# Allegro board PandaX_III_V3.brd (continued)
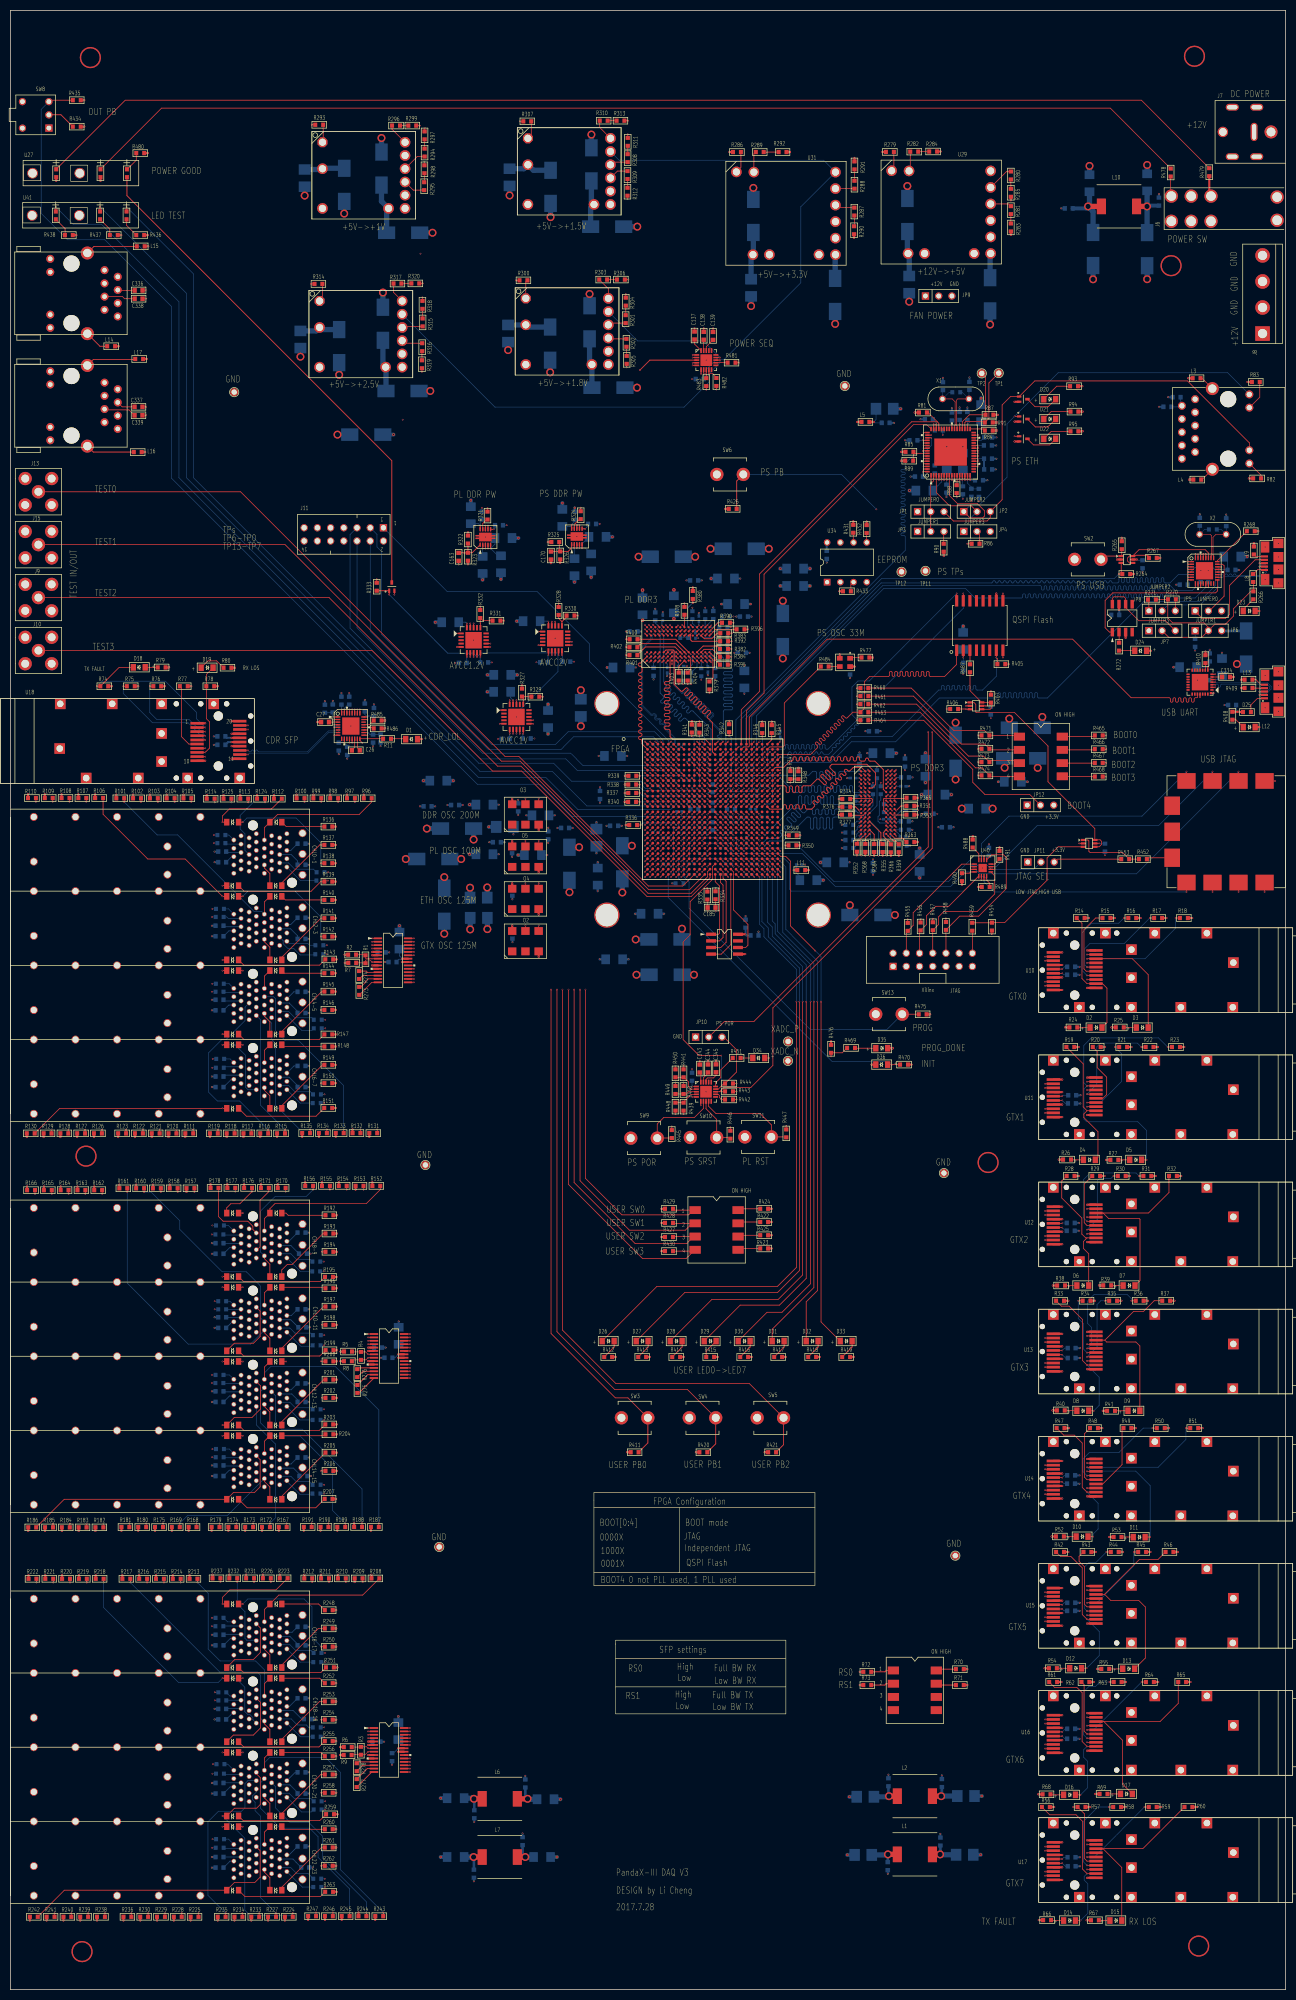
[diagram p0: board, top side]
## Placement (name value [footprint] x y rotation side) (continued)
C314  4.7u  [CT1206]  117.42 253.85 180 bottom
C315  0.1u  [SC0603]  123.57 253.01 270 bottom
C316  0.1u  [SC0603]  135.41 252.96 270 bottom
C317  0.1u  [SC0402]  134.01 253.47 270 bottom
C318  0.1u  [SC0402]  126.19 253.32 270 bottom
C319  0.01u  [SC0402]  131.62 259.97 270 bottom
C320  0.01u  [SC0402]  128.85 254.1 0 bottom
C321  4.7u  [CT1206]  127.48 265.96 90 bottom
C322  4.7u  [CT1206]  139.42 266.02 0 bottom
C323  4.7u  [CT1206]  141.02 251.56 270 bottom
C324  0.1u  [SC0603]  140.56 256.67 0 bottom
C325  0.1u  [SC0603]  140.94 263.63 0 bottom
C326  0.1u  [SC0603]  119.74 260.76 180 bottom
C327  10u  [CT1206]  183.06 258.93 90 bottom
C328  0.1u  [SC0603]  183.08 254 270 bottom
C329  0.1u  [SC0603]  188.37 245.57 270 bottom
C330  0.1u  [SC0603]  230.43 255.78 90 bottom
C331  1u  [SC0603]  234.75 246.64 180 bottom
C332  4.7u  [CT1206]  226.29 253.9 180 bottom
C333  0.1u  [SC0603]  229.57 251.41 180 bottom
C334  0.1u  [SC0603]  233.58 252.02 0 top
C335  10u  [CT1206]  232.79 253.92 90 bottom
C336  0.1u  [SC0603]  24.64 326.24 180 top
C337  0.1u  [SC0603]  24.61 303.89 180 top
C338  0.1u  [SC0603]  24.64 324.64 180 top
C339  0.1u  [SC0603]  24.61 302.26 180 top
C340  0.1u  [SC0603]  156.84 275.46 270 bottom
C341  1u  [SC0603]  142.98 202.39 0 bottom
C342  0.1u  [SC0603]  141.25 204.65 90 bottom
C343  22n  [SC0603]  132.46 176.84 90 top
C344  2.2n  [SC0603]  134.04 176.86 90 top
C345  0.1u  [SC0603]  135.59 176.89 90 top
C346  0.1u  [SC0603]  130.96 175.26 90 bottom
C347  0.1u  [SC0603]  188.01 218.44 90 bottom
C348  0.1u  [SC0603]  210.31 219.25 270 bottom
C350  0.01u  [SC0603]  161.34 253.26 270 bottom
C351  0.01u  [SC0603]  96.39 218.95 270 bottom
C354  0.01u  [SC0603]  96.44 210.8 270 bottom
C355  0.01u  [SC0603]  96.47 202.57 270 bottom
C357  0.01u  [SC0603]  97.56 226.98 270 bottom
C358  0.1u  [SC0603]  217.53 273.66 270 bottom
C481  0.1u  [SC0603]  40.54 238.99 180 bottom
C482  0.1u  [SC0603]  40.54 240.62 180 bottom
C483  0.1u  [SC0603]  203.81 194.84 0 bottom
C484  0.1u  [SC0603]  203.81 196.37 0 bottom
C485  0.1u  [SC0603]  203.96 170.13 0 bottom
C486  0.1u  [SC0603]  204.01 171.71 0 bottom
C487  0.1u  [SC0603]  203.73 145.7 0 bottom
C488  0.1u  [SC0603]  203.73 147.19 0 bottom
C489  0.1u  [SC0603]  203.91 121.26 0 bottom
C490  0.1u  [SC0603]  203.91 123.17 0 bottom
C491  0.1u  [SC0603]  203.78 97.13 0 bottom
C492  0.1u  [SC0603]  203.81 98.73 0 bottom
C493  0.1u  [SC0603]  203.81 72.72 0 bottom
C494  0.1u  [SC0603]  203.83 74.27 0 bottom
C495  0.1u  [SC0603]  203.81 48.16 0 bottom
C496  0.1u  [SC0603]  203.81 50.06 0 bottom
C497  0.1u  [SC0603]  203.91 23.67 0 bottom
C498  0.1u  [SC0603]  203.89 25.4 0 bottom
C499  0.1u  [SC0603]  132.44 309.22 180 bottom
C500  0.1u  [SC0603]  98.4 28.5 270 bottom
C501  0.1u  [SC0603]  89.13 33.66 90 bottom
C502  0.1u  [SC0603]  89.05 22.25 90 bottom
C503  10u  [CT1206]  102.16 25.45 0 bottom
D1  GREEN  [SD0805]  77.09 240.08 180 top
D2  GREEN  [SD0805]  208.58 184.71 0 top
D3  GREEN  [SD0805]  217.47 184.71 0 top
D4  GREEN  [SD0805]  207.31 159.31 0 top
D5  GREEN  [SD0805]  216.2 159.31 0 top
D6  GREEN  [SD0805]  206.04 135.18 0 top
D7  GREEN  [SD0805]  214.93 135.18 0 top
D8  GREEN  [SD0805]  206.04 111.13 0 top
D9  GREEN  [SD0805]  215.87 111.13 0 top
D10  GREEN  [SD0805]  205.92 86.97 0 top
D11  GREEN  [SD0805]  216.89 86.87 0 top
D12  GREEN  [SD0805]  204.67 61.7 0 top
D13  GREEN  [SD0805]  214.86 61.6 0 top
D14  GREEN  [SD0805]  203.5 13.26 0 top
D15  GREEN  [SD0805]  212.39 13.26 0 top
D16  GREEN  [SD0805]  203.5 37.39 0 top
D17  GREEN  [SD0805]  214.43 37.57 0 top
D18  GREEN  [SD0805]  24.76 253.87 180 top
D19  GREEN  [SD0805]  37.8 253.8 0 top
D20  GREEN  [SD0805]  199.69 305.36 0 top
D21  GREEN  [SD0805]  199.69 301.55 0 top
D22  GREEN  [SD0805]  199.69 297.74 0 top
D23  RED  [SD0805]  238.02 264.69 0 top
D24  RED  [SD0805]  217.17 257.05 180 top
D25  RED  [SD0805]  238.02 242.39 0 top
D26  GREEN  [SD0805]  114.86 124.51 0 top
D27  GREEN  [SD0805]  121.39 124.51 0 top
D28  GREEN  [SD0805]  127.92 124.51 0 top
D29  GREEN  [SD0805]  134.45 124.51 0 top
D30  GREEN  [SD0805]  140.98 124.51 0 top
D31  GREEN  [SD0805]  147.52 124.51 0 top
D32  GREEN  [SD0805]  154.05 124.51 0 top
D33  GREEN  [SD0805]  160.58 124.51 0 top
D34  RED  [SD0805]  143.79 178.87 180 top
D35  GREEN  [SD0805]  167.41 180.75 0 top
D36  GREEN  [SD0805]  167.41 177.6 180 top
DU1  10/100/1000 RJ45  [RJ45_HFJ11-100M]  11.73 325.68 270 top
DU2  10/100/1000 RJ45  [RJ45_HFJ11-100M]  11.73 304.09 270 top
DU3  AT93C46D  [SOIC_8]  137.21 200.71 0 top
J1  RJ45_LED  [RJ45-HFJ11-1G01E-L12RL]  233.98 305.36 90 top
J2  USB_micro  [MICRO_USB]  243.64 273.86 180 top
J3  Con_Stacked_SFP&SFP+  [CON_STACKED_SFP_2X4]  28.5 196.65 270 top
J4  Con_Stacked_SFP&SFP+  [CON_STACKED_SFP_2X4]  28.5 121.59 270 top
J5  Con_Stacked_SFP&SFP+  [CON_STACKED_SFP_2X4]  28.5 46.53 270 top
J6  -  [1201M2S3AV2QE2]  230.68 341.94 90 top
J7  -  [PJ-082BH]  232.97 356.67 180 top
J8  sip-4p-196  [SIP-4P-196]  240.59 323.9 90 top
J9  LEMO  [CON-BNC-S-T]  5.38 267.26 0 top
J10  LEMO  [CON-BNC-S-T]  5.38 257.1 0 top
J11  JTAG_14  [HEAD-14P]  64.06 279.4 180 top
J12  JTAG_14  [JTAG-14P]  164.46 193.22 0 top
J13  LEMO  [CON-BNC-S-T]  5.38 287.58 0 top
J14  USB_micro  [MICRO_USB]  243.64 249.23 180 top
J15  LEMO  [CON-BNC-S-T]  5.38 277.42 0 top
JP1  CON3_JUMPER  [SIP-3P]  176.83 283.77 0 top
JP2  CON3_JUMPER  [SIP-3P]  185.72 283.77 0 top
JP3  CON3_JUMPER  [SIP-3P]  176.83 279.96 0 top
JP4  CON3_JUMPER  [SIP-3P]  185.72 279.96 0 top
JP5  CON3_JUMPER  [SIP-3P]  230.17 264.72 0 top
JP6  CON3_JUMPER  [SIP-3P]  230.17 260.91 0 top
JP7  CON3_JUMPER  [SIP-3P]  221.28 260.91 0 top
JP8  CON3_JUMPER  [SIP-3P]  221.28 264.72 0 top
JP9  CON3_JUMPER  [SIP-3P]  178.36 325.17 0 top
JP10  CON3_JUMPER  [SIP-3P]  134.19 182.88 0 top
JP11  CON3_JUMPER  [SIP-3P]  198.02 216.49 0 top
JP12  CON3_JUMPER  [SIP-3P]  197.92 227.41 0 top
L1  ferrite-78  [DEM8045C]  173.79 25.96 0 top
L2  ferrite-78  [DEM8045C]  173.79 37.14 0 top
L3  ferrite-220  [SR0603]  227.91 309.37 0 top
L4  ferrite-220  [SR0603]  228.04 289.92 0 top
L5  ferrite-220  [SR0603]  164.29 300.99 0 top
L6  ferrite-78  [DEM8045C]  94.03 36.63 180 top
L7  ferrite-78  [DEM8045C]  94.03 25.45 180 top
L8  ferrite-220  [SR0603]  238.79 271.02 270 top
L9  ferrite-220  [SR0603]  238.91 276.3 90 top
L10  ferrite-78  [DEM8045C]  213 342.37 180 top
L11  ferrite-220  [SR0603]  151.94 214.94 180 top
L12  ferrite-220  [SR0603]  237.59 245.29 180 top
L13  ferrite-220  [SR0603]  237.9 251.51 180 top
L14  ferrite-220  [SR0603]  19.35 315.52 180 top
L15  ferrite-220  [SR0603]  25.04 334.7 180 top
L16  ferrite-220  [SR0603]  24.46 295.2 180 top
L17  ferrite-220  [SR0603]  24.74 313.08 180 top
NOREF  -  [unnamed]  114.6 206.3 0 top
NOREF#2  -  [unnamed]  155.24 246.94 0 top
NOREF#3  -  [unnamed]  114.6 246.94 0 top
NOREF#4  -  [unnamed]  155.24 206.3 0 top
O1  OSC  [XO32]  160.35 254.81 270 top
O2  125M  [XO75L]  98.96 201.3 0 top
O3  200M  [XO75L]  98.96 225.63 0 top
O4  125M  [XO75L]  98.96 209.41 0 top
O5  100M  [XO75L]  98.96 217.52 0 top
Q1  RUE002N02  [EMT3]  194.61 305.36 0 top
Q2  RUE002N02  [EMT3]  194.61 301.55 0 top
Q3  RUE002N02  [EMT3]  194.61 297.74 0 top
Q4  RUE002N02  [EMT3]  73.28 269.37 90 top
R1  100  [SR0603]  68.22 197.82 90 top
R2  10k  [SR0603]  65.66 198.71 0 top
R3  100  [SR0603]  67.34 45.85 90 top
R4  100  [SR0603]  67.36 121.67 90 top
R5  10k  [SR0603]  64.87 122.51 0 top
R6  10k  [SR0603]  64.82 46.56 0 top
R7  10k  [SR0603]  65.68 197.13 180 top
R8  10k  [SR0603]  64.85 120.65 180 top
R9  10k  [SR0603]  64.8 45.04 180 top
R11  1k  [SR0603]  72.36 240.16 180 top
R14  4.7k  [SR0603]  205.64 205.74 0 top
R15  4.7k  [SR0603]  210.6 205.74 0 top
R16  4.7k  [SR0603]  215.56 205.74 0 top
R17  4.7k  [SR0603]  220.52 205.74 0 top
R18  4.7k  [SR0603]  225.48 205.74 0 top
R19  4.7k  [SR0603]  203.66 180.98 0 top
R20  4.7k  [SR0603]  208.73 180.98 0 top
R21  4.7k  [SR0603]  213.8 180.98 0 top
R22  4.7k  [SR0603]  218.88 180.98 0 top
R23  4.7k  [SR0603]  223.95 180.98 0 top
R24  1k  [SR0603]  204.24 184.74 180 top
R25  1k  [SR0603]  213.16 184.74 180 top
R26  1k  [SR0603]  203.02 159.36 180 top
R27  1k  [SR0603]  212.12 159.31 180 top
R28  4.7k  [SR0603]  203.71 156.21 0 top
R29  4.7k  [SR0603]  208.62 156.21 0 top
R30  4.7k  [SR0603]  213.54 156.21 0 top
R31  4.7k  [SR0603]  218.45 156.21 0 top
R32  4.7k  [SR0603]  223.37 156.21 0 top
R33  4.7k  [SR0603]  201.68 132.26 0 top
R34  4.7k  [SR0603]  206.78 132.26 0 top
R35  4.7k  [SR0603]  211.87 132.26 0 top
R36  4.7k  [SR0603]  216.97 132.26 0 top
R37  4.7k  [SR0603]  222.07 132.26 0 top
R38  1k  [SR0603]  201.88 135.18 180 top
R39  1k  [SR0603]  210.74 135.21 180 top
R40  1k  [SR0603]  201.83 111.2 180 top
R41  1k  [SR0603]  211.48 111.13 180 top
R42  4.7k  [SR0603]  201.68 84.02 0 top
R43  4.7k  [SR0603]  206.93 84.02 0 top
R44  4.7k  [SR0603]  212.19 84.02 0 top
R45  4.7k  [SR0603]  217.45 84.02 0 top
R46  4.7k  [SR0603]  222.71 84.02 0 top
R47  4.7k  [SR0603]  201.78 107.8 0 top
R48  4.7k  [SR0603]  208.2 107.8 0 top
R49  4.7k  [SR0603]  214.62 107.8 0 top
R50  4.7k  [SR0603]  221.04 107.8 0 top
R51  4.7k  [SR0603]  227.46 107.8 0 top
R52  1k  [SR0603]  201.65 87 180 top
R53  1k  [SR0603]  212.72 86.89 180 top
R54  1k  [SR0603]  200.3 61.7 180 top
R55  1k  [SR0603]  210.36 61.57 180 top
R56  4.7k  [SR0603]  198.96 35.05 0 top
R57  4.7k  [SR0603]  205.8 35.05 0 top
R58  4.7k  [SR0603]  212.65 35.05 0 top
R59  4.7k  [SR0603]  219.49 35.05 0 top
R60  4.7k  [SR0603]  226.34 35.05 0 top
R61  4.7k  [SR0603]  200.36 59.06 0 top
R62  4.7k  [SR0603]  206.55 59.06 0 top
R63  4.7k  [SR0603]  212.75 59.06 0 top
R64  4.7k  [SR0603]  218.95 59.06 0 top
R65  4.7k  [SR0603]  225.15 59.06 0 top
R66  1k  [SR0603]  199.19 13.34 180 top
R67  1k  [SR0603]  208.38 13.31 180 top
R68  1k  [SR0603]  199.09 37.49 180 top
R69  1k  [SR0603]  210.03 37.57 180 top
R70  1k  [SR0603]  182.42 61.52 0 top
R71  1k  [SR0603]  182.42 58.47 0 top
R72  10k  [SR0603]  164.64 61.01 0 top
R73  10k  [SR0603]  164.64 58.47 0 top
R74  4.7k  [SR0603]  18.03 250.24 0 top
R75  4.7k  [SR0603]  23.13 250.24 0 top
R76  4.7k  [SR0603]  28.22 250.24 0 top
R77  4.7k  [SR0603]  33.31 250.24 0 top
R78  4.7k  [SR0603]  38.4 250.24 0 top
R79  1k  [SR0603]  29.06 253.85 0 top
R80  1k  [SR0603]  41.71 253.8 0 top
R81  4.7k  [SR0603]  175.34 302.79 180 top
R82  240  [SR0603]  239.55 290.15 0 top
R83  240  [SR0603]  239.29 308.66 0 top
R84  4.99k  [SR0603]  187.99 299.34 180 top
R85  1k  [SR0603]  172.75 295.25 180 top
R86  1k  [SR0603]  185.45 277.6 180 top
R87  4.7k  [SR0603]  188.11 302.36 180 top
R88  4.7k  [SR0603]  181.81 288.09 90 top
R89  1k  [SR0603]  172.69 293.55 0 top
R90  1k  [SR0603]  179.32 276.84 90 top
R91  4.7k  [SR0603]  187.99 300.89 180 top
R92  10M  [SR0603]  181.74 306.68 180 bottom
R93  4.7k  [SR0603]  204.37 307.85 0 top
R94  4.7k  [SR0603]  204.44 302.97 0 top
R95  4.7k  [SR0603]  204.44 299.19 0 top
R96  4.7k  [SR0603]  68.66 228.73 0 top
R97  4.7k  [SR0603]  65.43 228.73 0 top
R98  4.7k  [SR0603]  62.2 228.73 0 top
R99  4.7k  [SR0603]  58.98 228.73 0 top
R100  4.7k  [SR0603]  55.75 228.73 0 top
R101  4.7k  [SR0603]  21.11 228.73 0 top
R102  4.7k  [SR0603]  24.33 228.73 0 top
R103  4.7k  [SR0603]  27.56 228.73 0 top
R104  4.7k  [SR0603]  30.78 228.73 0 top
R105  4.7k  [SR0603]  34.01 228.73 0 top
R106  4.7k  [SR0603]  17.04 228.78 0 top
R107  4.7k  [SR0603]  13.82 228.78 0 top
R108  4.7k  [SR0603]  10.59 228.78 0 top
R109  4.7k  [SR0603]  7.37 228.78 0 top
R110  4.7k  [SR0603]  4.14 228.78 0 top
R111  4.7k  [SR0603]  34.37 164.39 0 top
R112  4.7k  [SR0603]  51.38 228.65 0 top
R113  4.7k  [SR0603]  44.93 228.65 0 top
R114  4.7k  [SR0603]  38.48 228.65 0 top
R115  4.7k  [SR0603]  51.99 164.39 0 top
R116  4.7k  [SR0603]  48.77 164.39 0 top
R117  4.7k  [SR0603]  45.54 164.39 0 top
R118  4.7k  [SR0603]  42.32 164.39 0 top
R119  4.7k  [SR0603]  39.09 164.39 0 top
R120  4.7k  [SR0603]  31.14 164.39 0 top
R121  4.7k  [SR0603]  27.91 164.39 0 top
R122  4.7k  [SR0603]  24.69 164.39 0 top
R123  4.7k  [SR0603]  21.46 164.39 0 top
R124  4.7k  [SR0603]  48.16 228.65 0 top
R125  4.7k  [SR0603]  41.71 228.65 0 top
R126  4.7k  [SR0603]  16.81 164.39 0 top
R127  4.7k  [SR0603]  13.59 164.39 0 top
R128  4.7k  [SR0603]  10.36 164.39 0 top
R129  4.7k  [SR0603]  7.14 164.39 0 top
R130  4.7k  [SR0603]  3.91 164.39 0 top
R131  4.7k  [SR0603]  69.72 164.44 0 top
R132  4.7k  [SR0603]  66.5 164.44 0 top
R133  4.7k  [SR0603]  63.27 164.44 0 top
R134  4.7k  [SR0603]  60.05 164.44 0 top
R135  4.7k  [SR0603]  56.82 164.44 0 top
R136  1k  [SR0603]  61.09 223.29 0 top
R137  1k  [SR0603]  61.09 219.77 0 top
R138  1k  [SR0603]  61.09 216.26 0 top
R139  1k  [SR0603]  61.09 212.74 0 top
R140  1k  [SR0603]  61.09 209.22 0 top
R141  1k  [SR0603]  61.09 205.7 0 top
R142  1k  [SR0603]  61.09 202.18 0 top
R143  1k  [SR0603]  61.26 197.79 0 top
R144  1k  [SR0603]  61.09 195.14 0 top
R145  1k  [SR0603]  61.09 191.62 0 top
R146  1k  [SR0603]  61.09 188.11 0 top
R147  1k  [SR0603]  61.09 183.39 0 top
R148  1k  [SR0603]  61.09 181.07 0 top
R149  1k  [SR0603]  61.09 177.55 0 top
R150  1k  [SR0603]  61.09 174.03 0 top
R151  1k  [SR0603]  61.06 169.27 0 top
R152  4.7k  [SR0603]  70.31 154.31 0 top
R153  4.7k  [SR0603]  67.08 154.31 0 top
R154  4.7k  [SR0603]  63.86 154.31 0 top
R155  4.7k  [SR0603]  60.63 154.31 0 top
R156  4.7k  [SR0603]  57.4 154.31 0 top
R157  4.7k  [SR0603]  34.59 153.85 0 top
R158  4.7k  [SR0603]  31.37 153.85 0 top
R159  4.7k  [SR0603]  28.14 153.85 0 top
R160  4.7k  [SR0603]  24.92 153.85 0 top
R161  4.7k  [SR0603]  21.69 153.85 0 top
R162  4.7k  [SR0603]  16.87 153.49 0 top
R163  4.7k  [SR0603]  13.64 153.49 0 top
R164  4.7k  [SR0603]  10.41 153.49 0 top
R165  4.7k  [SR0603]  7.19 153.49 0 top
R166  4.7k  [SR0603]  3.96 153.49 0 top
R167  4.7k  [SR0603]  52.32 88.8 0 top
R168  4.7k  [SR0603]  35 88.8 0 top
R169  4.7k  [SR0603]  31.78 88.8 0 top
R170  4.7k  [SR0603]  52.12 153.93 0 top
R171  4.7k  [SR0603]  48.89 153.93 0 top
R172  4.7k  [SR0603]  49.1 88.8 0 top
R173  4.7k  [SR0603]  45.87 88.8 0 top
R174  4.7k  [SR0603]  42.65 88.8 0 top
R175  4.7k  [SR0603]  28.55 88.8 0 top
R176  4.7k  [SR0603]  45.67 153.93 0 top
R177  4.7k  [SR0603]  42.44 153.93 0 top
R178  4.7k  [SR0603]  39.22 153.93 0 top
R179  4.7k  [SR0603]  39.42 88.8 0 top
R180  4.7k  [SR0603]  25.32 88.8 0 top
R181  4.7k  [SR0603]  22.1 88.8 0 top
R182  4.7k  [SR0603]  17.09 88.75 0 top
R183  4.7k  [SR0603]  13.87 88.75 0 top
R184  4.7k  [SR0603]  10.64 88.75 0 top
R185  4.7k  [SR0603]  7.42 88.75 0 top
R186  4.7k  [SR0603]  4.19 88.75 0 top
R187  4.7k  [SR0603]  70.03 88.82 0 top
R188  4.7k  [SR0603]  66.8 88.82 0 top
R189  4.7k  [SR0603]  63.58 88.82 0 top
R190  4.7k  [SR0603]  60.35 88.82 0 top
R191  4.7k  [SR0603]  57.12 88.82 0 top
R192  1k  [SR0603]  61.29 148.67 0 top
R193  1k  [SR0603]  61.29 145.16 0 top
R194  1k  [SR0603]  61.29 141.66 0 top
R195  1k  [SR0603]  61.21 136.83 0 top
R196  1k  [SR0603]  61.29 134.65 0 top
R197  1k  [SR0603]  61.29 131.14 0 top
R198  1k  [SR0603]  61.29 127.64 0 top
R199  1k  [SR0603]  61.32 122.76 0 top
R200  1k  [SR0603]  61.29 120.63 0 top
R201  1k  [SR0603]  61.29 117.12 0 top
R202  1k  [SR0603]  61.29 113.62 0 top
R203  1k  [SR0603]  61.26 108.51 0 top
R204  1k  [SR0603]  61.29 106.6 0 top
R205  1k  [SR0603]  61.29 103.1 0 top
R206  1k  [SR0603]  61.29 99.59 0 top
R207  1k  [SR0603]  61.14 94.21 0 top
R208  4.7k  [SR0603]  70.13 78.94 0 top
R209  4.7k  [SR0603]  66.9 78.94 0 top
R210  4.7k  [SR0603]  63.68 78.94 0 top
R211  4.7k  [SR0603]  60.45 78.94 0 top
R212  4.7k  [SR0603]  57.23 78.94 0 top
R213  4.7k  [SR0603]  35.18 78.87 0 top
R214  4.7k  [SR0603]  31.95 78.87 0 top
R215  4.7k  [SR0603]  28.73 78.87 0 top
R216  4.7k  [SR0603]  25.5 78.87 0 top
R217  4.7k  [SR0603]  22.28 78.87 0 top
R218  4.7k  [SR0603]  17.14 78.87 0 top
R219  4.7k  [SR0603]  13.92 78.87 0 top
R220  4.7k  [SR0603]  10.69 78.87 0 top
R221  4.7k  [SR0603]  7.47 78.87 0 top
R222  4.7k  [SR0603]  4.24 78.87 0 top
R223  4.7k  [SR0603]  52.5 78.97 0 top
R224  4.7k  [SR0603]  53.49 13.97 0 top
R225  4.7k  [SR0603]  35.38 13.97 0 top
R226  4.7k  [SR0603]  49.28 78.97 0 top
R227  4.7k  [SR0603]  50.27 13.97 0 top
R228  4.7k  [SR0603]  32.16 13.97 0 top
R229  4.7k  [SR0603]  28.93 13.97 0 top
R230  4.7k  [SR0603]  25.7 13.97 0 top
R231  4.7k  [SR0603]  46.05 78.97 0 top
R232  4.7k  [SR0603]  42.82 78.97 0 top
R233  4.7k  [SR0603]  47.04 13.97 0 top
R234  4.7k  [SR0603]  43.81 13.97 0 top
R235  4.7k  [SR0603]  40.59 13.97 0 top
R236  4.7k  [SR0603]  22.48 13.97 0 top
R237  4.7k  [SR0603]  39.6 78.97 0 top
R238  4.7k  [SR0603]  17.4 13.97 0 top
R239  4.7k  [SR0603]  14.17 13.97 0 top
R240  4.7k  [SR0603]  10.95 13.97 0 top
R241  4.7k  [SR0603]  7.72 13.97 0 top
R242  4.7k  [SR0603]  4.5 13.97 0 top
R243  4.7k  [SR0603]  70.87 14.1 0 top
R244  4.7k  [SR0603]  67.64 14.1 0 top
R245  4.7k  [SR0603]  64.41 14.1 0 top
R246  4.7k  [SR0603]  61.19 14.1 0 top
R247  4.7k  [SR0603]  57.96 14.1 0 top
R248  1k  [SR0603]  61.16 72.85 0 top
R249  1k  [SR0603]  61.16 69.34 0 top
R250  1k  [SR0603]  61.16 65.84 0 top
R251  1k  [SR0603]  61.39 61.85 0 top
R252  1k  [SR0603]  61.16 58.83 0 top
R253  1k  [SR0603]  61.16 55.32 0 top
R254  1k  [SR0603]  61.16 51.82 0 top
R255  1k  [SR0603]  61.16 47.7 0 top
R256  1k  [SR0603]  61.16 44.81 0 top
R257  1k  [SR0603]  61.16 41.3 0 top
R258  1k  [SR0603]  61.16 37.8 0 top
R259  1k  [SR0603]  61.42 33.66 0 top
R260  1k  [SR0603]  61.16 30.79 0 top
R261  1k  [SR0603]  61.16 27.28 0 top
R262  1k  [SR0603]  61.16 23.78 0 top
R263  1k  [SR0603]  61.24 18.77 0 top
R264  1k  [SR0603]  214.4 271.78 0 top
R265  1k  [SR0603]  213.54 277.32 90 top
R266  240  [SR0603]  238.81 267.69 270 top
R267  1k  [SR0603]  219.51 274.88 0 top
R268  8.06k  [SR0603]  238.33 280.01 180 top
R269  1M  [SR0603]  231.04 280.34 0 bottom
R270  10k  [SR0603]  223.16 266.93 0 top
R271  1k  [SR0603]  219.33 266.88 180 top
R272  240  [SR0603]  213.03 257.84 270 top
R273  100  [SR0603]  67.03 191.75 270 top
R274  100  [SR0603]  67.01 194.79 270 top
R275  100  [SR0603]  66.67 115.32 270 top
R276  100  [SR0603]  66.65 118.37 270 top
R277  100  [SR0603]  66.55 39.65 270 top
R278  100  [SR0603]  66.55 42.7 90 top
R279  1k  [SR0603]  168.99 352.83 0 top
R280  150k  [SR0603]  192.23 348.31 90 top
R281  169  [SR0603]  192.23 341.66 90 top
R282  8.87k  [SR0603]  173.66 352.88 180 top
R283  0  [SR0603]  192.23 338.33 90 top
R284  0  [SR0603]  177.29 352.91 180 top
R285  0  [SR0603]  192.23 344.98 90 top
R286  1k  [SR0603]  139.6 352.81 0 top
R287  1.21k  [SR0603]  162.15 341.38 90 top
R288  150k  [SR0603]  162.18 346.53 270 top
R289  100k  [SR0603]  143.98 352.81 180 top
R290  0  [SR0603]  162.1 337.8 90 top
R291  0  [SR0603]  162.18 350.24 270 top
R292  0  [SR0603]  148.36 352.81 180 top
R293  1k  [SR0603]  59.33 358.04 0 top
R294  68k  [SR0603]  79.58 352.71 270 top
R295  20k  [SR0603]  79.5 346.25 270 top
R296  150k  [SR0603]  74.09 357.89 180 top
R297  13k  [SR0603]  79.58 356.01 270 top
R298  510  [SR0603]  79.55 349.51 270 top
R299  3.9k  [SR0603]  77.22 357.89 180 top
R300  1k  [SR0603]  98.58 328.17 0 top
R301  68k  [SR0603]  118.21 320.73 270 top
R302  4.75k  [SR0603]  118.36 316.18 90 top
R303  150k  [SR0603]  113.89 328.32 180 top
R304  13k  [SR0603]  118.24 324.08 270 top
R305  0  [SR0603]  118.41 312.9 90 top
R306  3.9k  [SR0603]  117.3 328.32 180 top
R307  1k  [SR0603]  99.31 358.7 0 top
R308  82k  [SR0603]  118.59 351.64 270 top
R309  6.99k  [SR0603]  118.57 348.39 90 top
R310  150k  [SR0603]  114 358.83 180 top
R311  0  [SR0603]  118.62 354.76 270 top
R312  100  [SR0603]  118.57 345.19 90 top
R313  3.9k  [SR0603]  117.22 358.83 180 top
R314  1k  [SR0603]  59.18 327.48 0 top
R315  82k  [SR0603]  79.2 320.09 270 top
R316  2.37k  [SR0603]  79.12 315.34 90 top
R317  150k  [SR0603]  74.37 327.56 180 top
R318  0  [SR0603]  79.17 323.47 270 top
R319  0  [SR0603]  79.07 312.07 90 top
R320  3.9k  [SR0603]  77.8 327.58 180 top
R321  10k  [SR0603]  91.67 283.01 90 top
R322  10k  [SR0603]  87.91 278.41 90 top
R323  10k  [SR0603]  87.91 275.11 90 top
R324  10k  [SR0603]  109.58 283.08 90 top
R325  10k  [SR0603]  104.7 277.93 180 top
R326  10k  [SR0603]  105.64 275.36 90 top
R327  1k  [SR0603]  98.3 249.02 270 top
R328  3.01k  [SR0603]  105.33 264.69 270 top
R329  4.01k  [SR0603]  100.86 248.24 0 top
R330  2k  [SR0603]  107.62 263.81 0 top
R331  2.49k  [SR0603]  93.4 262.84 180 top
R332  4.99k  [SR0603]  90.27 264.11 90 top
R333  10k  [SR0603]  70.38 269.34 270 top
R334  50  [SR0603]  135.48 210.11 270 top
R335  50  [SR0603]  133.91 210.06 270 top
R336  10k  [SR0603]  119.66 223.6 0 top
R337  100  [SR0603]  119.48 229.74 0 top
R338  80.6  [SR0603]  119.48 231.37 180 top
R339  0  [SR0603]  119.51 233.05 0 top
R340  100  [SR0603]  119.46 228.04 0 top
R341  80.6  [SR0603]  130.91 242.11 270 top
R342  80.6  [SR0603]  138.1 242.19 90 top
R343  80.6  [SR0603]  132.38 242.09 270 top
R344  100  [SR0603]  128.57 212.4 180 bottom
R345  20k  [SR0603]  146.28 242.01 90 top
R346  20k  [SR0603]  144.45 242.01 270 top
R347  1k  [SR0603]  149.86 233.17 90 top
R348  1k  [SR0603]  151.41 233.15 270 top
R349  80.6  [SR0603]  150.32 221.62 0 top
R350  80.6  [SR0603]  150.27 219.69 180 top
R351  40.2  [SR0603]  172.92 227.28 0 top
R352  4.7k  [SR0603]  162.64 219.23 90 top
R353  240  [SR0603]  172.92 225.58 180 top
R354  80.6  [SR0603]  167.84 226.82 270 bottom
R355  40.2  [SR0603]  167.59 219.18 270 top
R356  40.2  [SR0603]  168.4 219.18 270 bottom
R357  40.2  [SR0603]  165.1 219.18 270 bottom
R358  40.2  [SR0603]  161.21 222.15 180 bottom
R359  40.2  [SR0603]  171.45 219.66 0 bottom
R360  40.2  [SR0603]  161.19 219.18 180 bottom
R361  40.2  [SR0603]  171.86 222.68 0 bottom
R362  40.2  [SR0603]  163.47 219.2 270 bottom
R363  40.2  [SR0603]  172.92 220.32 0 top
R364  40.2  [SR0603]  165.96 219.18 270 top
R365  40.2  [SR0603]  172.95 228.83 0 top
R366  40.2  [SR0603]  169.16 219.13 270 top
R367  40.2  [SR0603]  167.23 230.28 90 bottom
R368  40.2  [SR0603]  164.26 219.2 270 top
R369  40.2  [SR0603]  170.69 219.15 270 top
R370  40.2  [SR0603]  161.19 223.62 180 bottom
R371  40.2  [SR0603]  172.9 226.44 0 bottom
R372  40.2  [SR0603]  166.8 219.18 270 bottom
R373  40.2  [SR0603]  166.5 233.35 90 bottom
R374  40.2  [SR0603]  160.6 228.6 180 top
R375  40.2  [SR0603]  165.73 230.28 90 bottom
R376  40.2  [SR0603]  160.6 227.1 180 top
R377  40.2  [SR0603]  160.55 225.58 180 top
R378  40.2  [SR0603]  129.51 264.72 90 top
R379  4.7k  [SR0603]  134.32 250.39 90 top
R380  240  [SR0603]  131.11 267.77 270 top
R381  80.6  [SR0603]  129.46 259.54 0 bottom
R382  40.2  [SR0603]  137.11 257.4 0 top
R383  40.2  [SR0603]  137.16 260.43 0 top
R384  40.2  [SR0603]  137.08 255.91 0 top
R385  40.2  [SR0603]  137.01 256.67 0 bottom
R386  40.2  [SR0603]  133.5 263.88 90 bottom
R387  40.2  [SR0603]  132.74 252.93 270 bottom
R388  40.2  [SR0603]  137.49 263.63 0 bottom
R389  40.2  [SR0603]  136.98 255.17 0 bottom
R390  40.2  [SR0603]  137.49 262.43 0 top
R391  40.2  [SR0603]  137.01 258.14 0 bottom
R392  40.2  [SR0603]  137.13 258.88 0 top
R393  40.2  [SR0603]  136.98 261.65 0 bottom
R394  40.2  [SR0603]  137.01 259.61 0 bottom
R395  40.2  [SR0603]  137.08 254.38 0 top
R396  40.2  [SR0603]  140.28 261.16 0 top
R397  40.2  [SR0603]  130.78 252.1 270 bottom
R398  40.2  [SR0603]  131.04 263.88 90 bottom
R399  40.2  [SR0603]  129.26 252.07 270 bottom
R400  40.2  [SR0603]  119.74 259.26 180 top
R401  40.2  [SR0603]  119.71 256.21 180 top
R402  40.2  [SR0603]  119.71 257.73 180 top
R403  40.2  [SR0603]  128.42 252.1 270 top
R404  40.2  [SR0603]  130.12 252.1 270 top
R405  240  [SR0603]  190.4 254.48 0 top
R406  10k  [SR0603]  181.33 245.87 180 top
R407  4.7k  [SR0603]  188.39 247.85 90 top
R408  240  [SR0603]  234.8 244.58 270 top
R409  0  [SR0603]  237.9 249.91 0 top
R410  4.7k  [SR0603]  229.62 255.45 90 top
R411  10k  [SR0603]  119.94 103.18 0 top
R412  240  [SR0603]  114.86 121.46 0 top
R413  4.7k  [SR0603]  121.39 121.46 0 top
R414  4.7k  [SR0603]  127.92 121.46 0 top
R415  4.7k  [SR0603]  134.45 121.46 0 top
R416  4.7k  [SR0603]  140.98 121.46 0 top
R417  4.7k  [SR0603]  147.52 121.46 0 top
R418  4.7k  [SR0603]  154.05 121.46 0 top
R419  4.7k  [SR0603]  160.58 121.46 0 top
R420  10k  [SR0603]  133.15 103.18 0 top
R421  10k  [SR0603]  146.35 103.18 0 top
R422  1k  [SR0603]  144.83 147.37 0 top
R423  1k  [SR0603]  144.83 142.29 0 top
R424  1k  [SR0603]  144.83 149.91 0 top
R425  1k  [SR0603]  144.83 144.83 0 top
R426  10k  [SR0603]  138.79 284.3 0 top
R427  10k  [SR0603]  126.54 144.49 0 top
R428  10k  [SR0603]  126.54 147.2 0 top
R429  10k  [SR0603]  126.54 149.91 0 top
R430  10k  [SR0603]  126.54 141.78 0 top
R431  4.7k  [SR0603]  161.95 280.47 90 top
R432  4.7k  [SR0603]  164.52 280.42 90 top
R433  0  [SR0603]  160.73 268.48 180 top
R434  1k  [SR0603]  12.75 357.68 0 top
R435  10k  [SR0603]  12.75 362.76 180 top
R436  1k  [SR0603]  24.94 336.86 0 top
R437  1k  [SR0603]  19.86 336.86 0 top
R438  1k  [SR0603]  11.23 336.86 0 top
R439  4.7k  [SR0603]  129.34 169.52 270 top
R440  4.7k  [SR0603]  129.34 172.72 90 top
R441  4.7k  [SR0603]  129.34 175.92 90 top
R442  10k  [SR0603]  138.07 170.89 0 top
R443  10k  [SR0603]  138.07 172.44 0 top
R444  10k  [SR0603]  138.07 173.97 0 top
R445  4.7k  [SR0603]  127.08 164.26 90 top
R446  4.7k  [SR0603]  138.33 164.14 90 top
R447  4.7k  [SR0603]  149.07 164.39 90 top
R448  4.7k  [SR0603]  127.79 169.52 90 top
R449  4.7k  [SR0603]  127.79 172.72 270 top
R450  4.7k  [SR0603]  127.79 175.92 270 top
R451  240  [SR0603]  139.55 178.87 180 top
R452  0  [SR0603]  217.6 217.04 0 top
R453  10k  [SR0603]  214.2 217.04 180 top
R454  10k  [SR0603]  188.59 204.09 270 top
R455  4.7k  [SR0603]  172.42 204.04 90 top
R456  4.7k  [SR0603]  174.88 204.12 90 top
R457  4.7k  [SR0603]  177.24 204.17 90 top
R458  4.7k  [SR0603]  179.76 204.22 90 top
R459  0  [SR0603]  184.81 204.06 270 top
R460  20k  [SR0603]  164.08 249.89 180 top
R461  20k  [SR0603]  164.08 248.34 180 top
R462  20k  [SR0603]  164.08 246.8 180 top
R463  20k  [SR0603]  164.08 245.26 180 top
R464  20k  [SR0603]  164.08 243.71 180 top
R465  100  [SR0603]  209.12 240.79 0 top
R466  100  [SR0603]  209.12 238.16 0 top
R467  100  [SR0603]  209.12 235.53 0 top
R468  100  [SR0603]  209.12 232.89 0 top
R469  1k  [SR0603]  161.52 180.8 180 top
R470  10k  [SR0603]  171.7 177.6 0 top
R471  500  [SR0603]  187.35 240.79 0 top
R472  500  [SR0603]  187.35 238.24 0 top
R473  500  [SR0603]  187.35 235.68 0 top
R474  500  [SR0603]  187.35 233.12 0 top
R475  10k  [SR0603]  175.29 187.25 0 top
R476  330  [SR0603]  157.68 180.62 90 top
R477  4.7k  [SR0603]  164.29 255.75 0 top
R478  4.7k  [SR0603]  222.94 348.87 90 top
R479  4.7k  [SR0603]  230.35 348.95 90 top
R480  4.7k  [SR0603]  24.94 352.6 0 top
R481  10k  [SR0603]  138.56 312.37 0 top
R482  10k  [SR0603]  135.64 308.66 270 top
R483  10k  [SR0603]  133.71 308.64 270 top
R484  25  [SR0603]  156.46 254.03 0 top
R485  1k  [SR0603]  70.56 243.66 180 top
R486  1k  [SR0603]  70.56 242.14 180 top
R487  10  [SR0603]  184.38 253.7 90 top
R488  4.7k  [SR0603]  184.89 220.04 90 top
R489  4.7k  [SR0603]  187.4 211.71 180 top
R490  4.7k  [SR0603]  182.83 213.59 270 top
R491  4.7k  [SR0603]  190.04 217.86 90 top
R492  20  [SR0603]  59.56 212.93 0 bottom
R493  20  [SR0603]  59.59 214.53 0 bottom
R494  20  [SR0603]  40.54 221.67 180 bottom
R495  20  [SR0603]  40.54 220.12 180 bottom
R496  20  [SR0603]  59.36 200.51 0 bottom
R497  20  [SR0603]  59.33 198.78 0 bottom
R498  20  [SR0603]  40.26 207.49 180 bottom
R499  20  [SR0603]  40.21 205.94 180 bottom
R500  20  [SR0603]  59.05 184.56 0 bottom
R501  20  [SR0603]  59.05 186.21 0 bottom
R502  20  [SR0603]  40.23 193.12 180 bottom
R503  20  [SR0603]  40.18 191.59 180 bottom
R504  20  [SR0603]  58.85 170.21 0 bottom
R505  20  [SR0603]  58.9 171.88 0 bottom
R506  20  [SR0603]  40.31 178.69 180 bottom
R507  20  [SR0603]  40.23 176.99 180 bottom
R508  20  [SR0603]  58.75 137.9 0 bottom
R509  20  [SR0603]  58.78 139.78 0 bottom
R510  20  [SR0603]  40.26 146.71 180 bottom
R511  20  [SR0603]  40.16 144.98 180 bottom
R512  20  [SR0603]  58.83 123.7 0 bottom
R513  20  [SR0603]  58.88 125.65 0 bottom
R514  20  [SR0603]  40.69 132.16 180 bottom
R515  20  [SR0603]  40.69 130.61 180 bottom
R516  20  [SR0603]  58.83 109.37 0 bottom
R517  20  [SR0603]  58.83 111.41 0 bottom
R518  20  [SR0603]  40.18 118.01 180 bottom
R519  20  [SR0603]  40.16 116.46 180 bottom
R520  20  [SR0603]  58.8 95.23 0 bottom
R521  20  [SR0603]  58.83 96.93 0 bottom
R522  20  [SR0603]  40.26 103.79 180 bottom
R523  20  [SR0603]  40.21 102.21 180 bottom
R524  20  [SR0603]  58.95 62.87 0 bottom
R525  20  [SR0603]  59 64.64 0 bottom
R526  20  [SR0603]  58.85 48.54 0 bottom
R527  20  [SR0603]  58.85 50.34 0 bottom
R528  20  [SR0603]  40.18 71.38 180 bottom
R529  20  [SR0603]  40.16 69.75 180 bottom
R530  20  [SR0603]  40.72 57.07 180 bottom
R531  20  [SR0603]  40.72 55.53 180 bottom
R532  20  [SR0603]  59.03 34.57 0 bottom
R533  20  [SR0603]  59.03 36.15 0 bottom
R534  20  [SR0603]  40.36 43.28 180 bottom
R535  20  [SR0603]  40.26 41.45 180 bottom
R536  20  [SR0603]  58.95 19.69 0 bottom
R537  20  [SR0603]  58.95 21.29 0 bottom
R538  20  [SR0603]  40.28 28.88 180 bottom
R539  20  [SR0603]  40.21 27.23 180 bottom
SW1  SW-3  [SW_SDA_8P]  173.79 57.46 0 top
SW2  SPB  [PSW2-T]  207.01 274.6 0 top
SW3  SPB  [PSW2-T]  119.94 109.78 0 top
SW4  SPB  [PSW2-T]  132.98 109.78 0 top
SW5  SPB  [PSW2-T]  146.02 109.78 0 top
SW6  SPB  [PSW2-T]  138.28 290.91 0 top
SW7  SW-3  [SW_SDA_8P]  135.69 145.85 0 top
SW8  PSW4  [SW-PUSH-DOWN]  4.85 359.94 180 top
SW9  SPB  [PSW2-T]  121.74 163.48 0 top
SW10  SPB  [PSW2-T]  133.17 163.6 0 top
SW11  SPB  [PSW2-T]  143.66 163.7 0 top
SW12  SW-3  [SW_SDA_8P]  197.99 236.75 0 top
SW13  SPB  [PSW2-T]  168.81 187.28 0 top
TP1  TP  [GND40]  189.89 310.36 0 top
TP2  TP  [GND40]  186.64 310.31 0 top
TP3  TP  [GND40]  43 306.71 0 top
TP4  TP  [GND40]  160.32 307.9 0 top
TP5  TP  [GND40]  79.73 158.32 0 top
TP6  TP  [GND40]  179.37 156.77 0 top
TP7  TP  [GND40]  82.4 84.99 0 top
TP8  TP  [GND40]  181.56 83.31 0 top
TP9  TP  [GND40]  149.43 182.04 0 top
TP10  TP  [GND40]  149.4 178.31 0 top
